# KiCad board PowerSupply.kicad_pcb (continued)
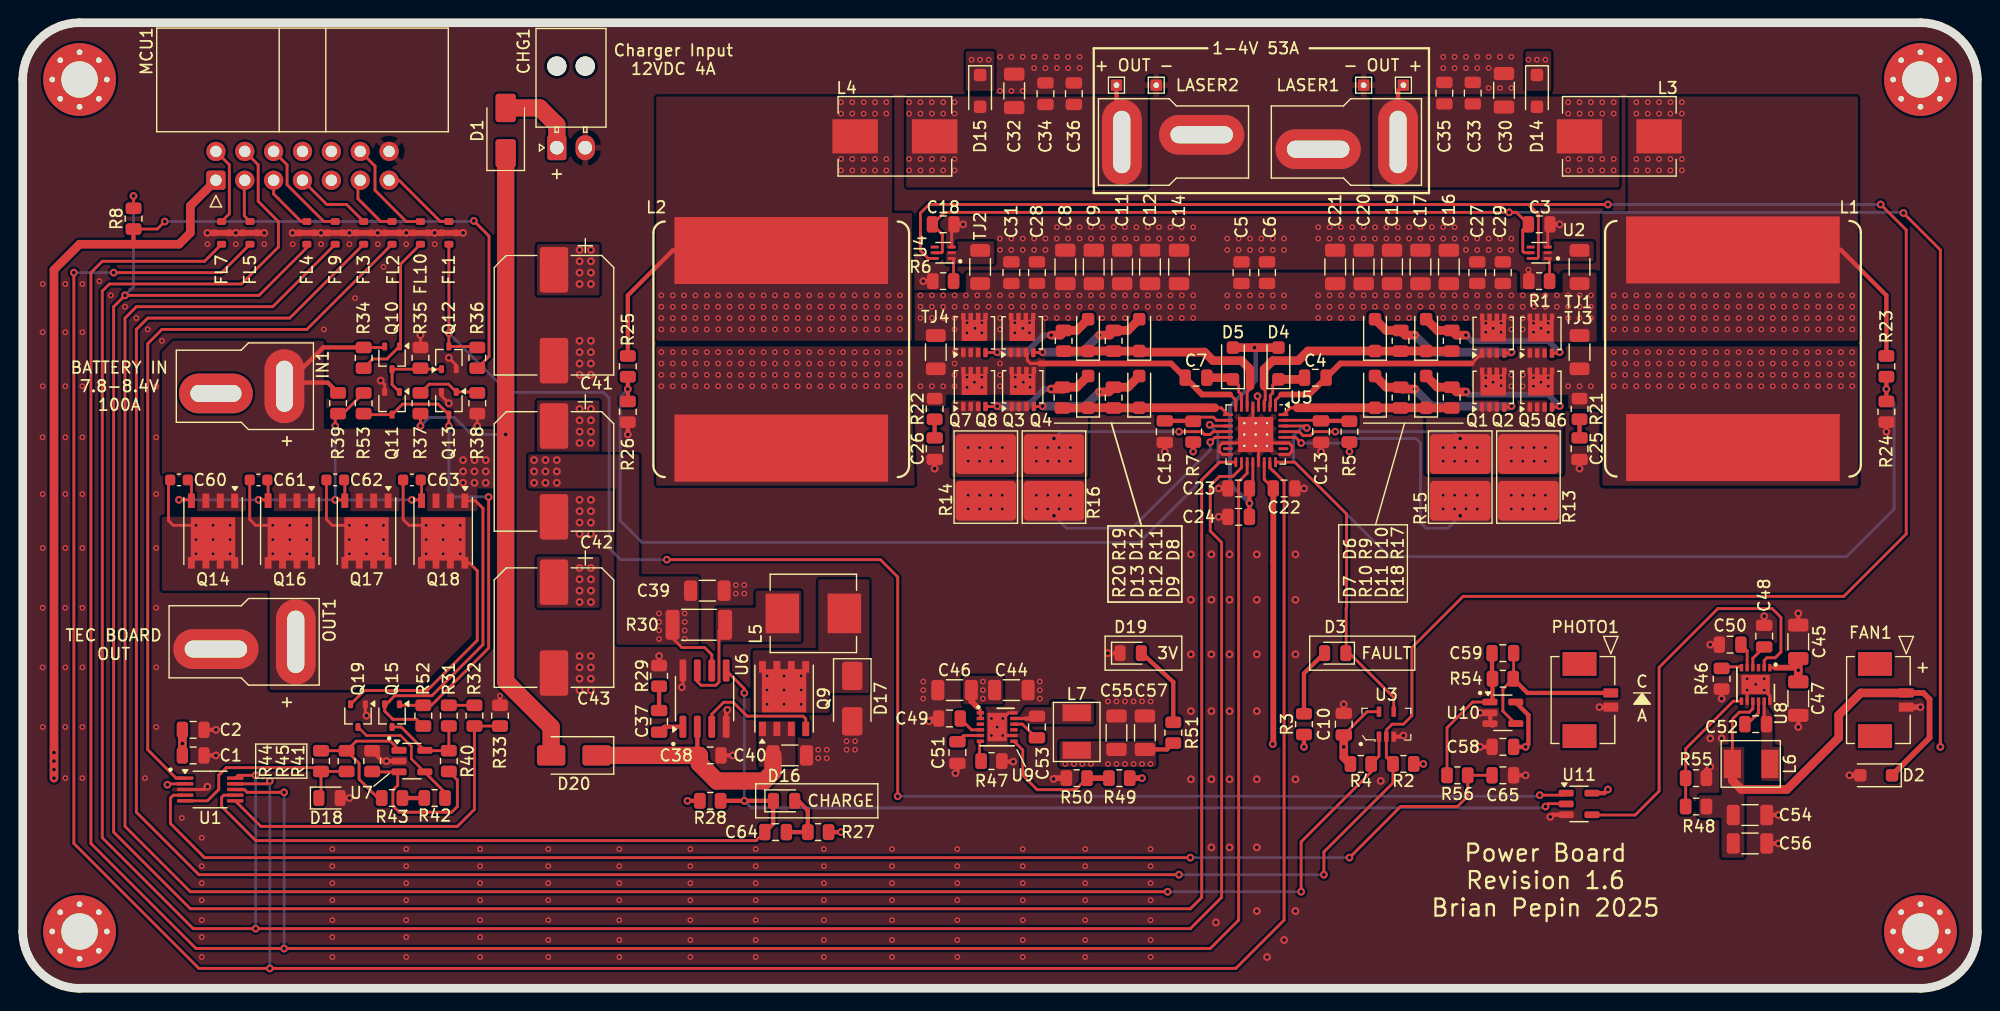
[diagram p0: board, top side]
## Footprints (pads in the part's own frame, mm; a bottom-side part is the same pattern mirrored in y, then rotated) (continued)
TestPoint_THTPad_1.0x1.0mm_Drill0.5mm
  rect 1x1 hole 0.5: 1(0,0)
VSSOP-10_3x3mm_P0.5mm
  rrect 1.45x0.3 smd: 1(-2.2,1) 2(-2.2,0.5) 3(-2.2,0) 4(-2.2,-0.5) 5(-2.2,-1) 6(2.2,-1) 7(2.2,-0.5) 8(2.2,0) 9(2.2,0.5) 10(2.2,1)

## Nets
+3V3: C1.1 C2.1 C3.1 C10.2 C18.1 C22.2 C55.2 C57.2 C58.2 L7.2 MCU1.1 R2.2 R3.2 R4.2 R8.2 R27.1 R28.1 R36.2 R49.2 R51.2 U1.2 U2.5 U3.5 U4.5 U5.22 U10.5 U11.5
+5V: C54.2 C56.2 D2.1 FAN1.1 L6.2 R48.2 U8.9
+12V: D1.1 D20.2 R37.2
/LaserDriver/VCCA: C23.2 C24.2 D4.2 D5.2 U5.20
GND: C1.2 C2.2 C3.2 C5.2 C6.2 C8.2 C9.2 C10.1 C11.2 C12.2 C13.2 C14.2 C15.2 C16.2 C17.2 C18.2 C19.2 C20.2 C21.2 C22.1 C23.1 C24.1 C25.2 C26.2 C27.2 C28.2 C29.2 C30.2 C31.2 C32.2 C33.2 C34.2 C35.2 C36.2 C38.2 C39.2 C40.1 C41.2 C42.2 C43.2 C44.1 C45.1 C46.1 C47.1 C48.2 C49.2 C50.1 C51.1 C54.1 C55.1 C56.1 C57.1 C58.1 C65.2 CHG1.2 D2.2 D17.2 D18.2 D19.1 FAN1.2 FL1.2 FL2.2 FL3.2 FL4.2 FL5.2 FL7.2 FL9.2 FL10.2 IN1.- LASER1.- LASER2.- MCU1.14 OUT1.- PHOTO1.2 Q11.2 Q12.2 Q13.2 Q19.1 R1.1 R6.1 R13.2 R14.2 R15.2 R16.2 R24.2 R26.2 R29.2 R33.2 R35.1 R38.1 R41.2 R46.2 R47.2 R50.1 R55.2 TP2.1 TP4.1 U1.3 U2.3 U3.3 U4.3 U5.5 U5.13 U5.14 U5.16 U5.21 U5.25 U5.27 U5.28 U5.33 U6.4 U6.8 U7.2 U8.8 U8.12 U8.13 U9.8 U9.12 U9.13 U10.2 U10.3 U11.3
+BATT: C39.1 IN1.+ Q10.2 Q14.1 Q14.2 Q14.3 Q15.2 Q16.1 Q16.2 Q16.3 Q17.1 Q17.2 Q17.3 Q18.1 Q18.2 Q18.3 R30.1 R34.2 R39.1 R52.1 U6.6
/LaserDriver/BST1: C4.1 D4.1 U5.2
/LaserDriver/BST2: C7.1 D5.1 U5.7
/LaserDriver/DH1: D6.1 D10.1 R9.2 R17.2 U5.3
/LaserDriver/DH2: D8.1 D12.1 R11.2 R19.2 U5.6
/LaserDriver/DL1: D7.1 D11.1 R10.2 R18.2 U5.32
/LaserDriver/DL2: D9.1 D13.1 R12.2 R20.2 U5.9
/LaserDriver/LX1: C4.2 L1.1 Q1.1 Q1.2 Q1.3 Q2.5 Q5.1 Q5.2 Q5.3 Q6.5 R21.1 TJ3.1 U5.1
/LaserDriver/LX2: C7.2 L2.1 Q3.1 Q3.2 Q3.3 Q4.5 Q7.1 Q7.2 Q7.3 Q8.5 R22.1 TJ4.1 U5.8
/LaserDriver/OUT1: R23.2 R24.1 U5.30
/LaserDriver/OUT2: R25.2 R26.1 U5.11
/LaserDriver/TON1: C13.1 R5.2 U5.31
/LaserDriver/TON2: C15.1 R7.2 U5.10
/LaserDriver/~{RESETB}: D3.1 U3.4 U5.24
/PowerControl/LOADGATE: C60.2 C61.2 C62.2 C63.2 Q14.4 Q16.4 Q17.4 Q18.4 R39.2 R53.1
/PowerControl/PGATE: Q11.3 Q13.3 Q15.1 R52.2 R53.2
BAT_CURRENT: D18.1 R44.2 R45.2 U1.5
BAT_VOLT: R32.2 R33.1 U1.6
BATT_SW: Q15.3 R31.1 R40.1 U7.5
LASER_MON: C65.1 R56.1 U1.4
MISO: FL5.3 U1.9 U5.23
MOSI: FL7.3 U1.8 U5.19
PHOTODIODE: C59.2 PHOTO1.1 R54.2 U10.4
SCK: MCU1.4 U1.10 U5.18
VDC: C5.1 C6.1 C8.1 C9.1 C11.1 C12.1 C14.1 C16.1 C17.1 C19.1 C20.1 C21.1 C27.1 C28.1 C29.1 C31.1 C41.1 C42.1 C43.1 C44.2 C45.2 C46.2 C47.2 C60.1 C61.1 C62.1 C63.1 D14.1 D15.1 OUT1.+ Q1.5 Q3.5 Q5.5 Q7.5 Q14.5 Q16.5 Q17.5 Q18.5 Q19.2 R5.1 R7.1 TJ1.2 TJ2.2 TJ3.2 TJ4.2 U5.4 U8.1 U9.1 U9.2
~{CHARGE}: C64.1 D16.1 R28.2 U1.7 U6.5 U11.2
~{CS_CHARGE}: FL2.3 U1.1
~{CS_LASER}: FL4.3 R8.1 U5.17
~{INTERLOCK_EN}: FL1.3 Q12.3 R36.1 U11.1
~{INTERLOCK_SW}: FL10.3 Q10.1 R34.1
~{RST_LASER}: FL9.3 R4.1 U3.1
~{TMP_LASER}: FL3.3 R2.1 U2.6 U3.2 U4.6
Net-(C25-Pad1): C25.1 R21.2
Net-(C26-Pad1): C26.1 R22.2
Net-(C37-Pad1): C37.1 R29.1
Net-(C59-Pad1): C59.1 R54.1 R56.2 U10.1
Net-(CHG1-Pin_1): CHG1.1 D1.2
Net-(D3-A): D3.2 R3.1
Net-(D6-A): D6.2 Q1.4 R9.1
Net-(D7-A): D7.2 Q2.4 R10.1
Net-(D8-A): D8.2 Q3.4 R11.1
Net-(D9-A): D9.2 Q4.4 R12.1
Net-(D10-A): D10.2 Q5.4 R17.1
Net-(D11-A): D11.2 Q6.4 R18.1
Net-(D12-A): D12.2 Q7.4 R19.1
Net-(D13-A): D13.2 Q8.4 R20.1
Net-(D14-A): C30.1 C33.1 C35.1 D14.2 L3.2 LASER1.+ TP1.1
Net-(D15-A): C32.1 C34.1 C36.1 D15.2 L4.2 LASER2.+ TP3.1
Net-(D16-A): C64.2 D16.2 R27.2
Net-(D17-K): D17.1 L5.1 Q9.5
Net-(D19-A): D19.2 R51.1
Net-(D20-K): C38.1 C40.2 D20.1 Q9.1 Q9.2 Q9.3 U6.2
Net-(L1-Pad2): L1.2 L3.1 R23.1
Net-(L2-Pad2): L2.2 L4.1 R25.1
Net-(MCU1-Pin_2): FL7.1 MCU1.2
Net-(MCU1-Pin_3): FL5.1 MCU1.3
Net-(MCU1-Pin_5): FL4.1 MCU1.5
Net-(MCU1-Pin_6): FL9.1 MCU1.6
Net-(MCU1-Pin_7): FL3.1 MCU1.7
Net-(MCU1-Pin_11): FL2.1 MCU1.11
Net-(MCU1-Pin_12): FL10.1 MCU1.12
Net-(MCU1-Pin_13): FL1.1 MCU1.13
Net-(Q9-G): Q9.4 U6.3
Net-(Q10-D): Q10.3 Q11.1 Q12.1 R35.2
Net-(Q13-G): Q13.1 R37.1 R38.2
Net-(Q19-D): Q19.3 R42.2 U7.4
Net-(R31-Pad2): R31.2 R32.1
Net-(R42-Pad1): R42.1 R43.1
Net-(R43-Pad2): R43.2 R44.1 R45.1 U7.1
Net-(U2-SETA): R1.2 TJ1.1 U2.1 U2.2
Net-(U4-SETA): R6.2 TJ2.1 U4.1 U4.2
Net-(U5-CSP1): Q2.1 Q2.2 Q2.3 Q6.1 Q6.2 Q6.3 R13.1 R15.1 U5.29
Net-(U5-CSP2): Q4.1 Q4.2 Q4.3 Q8.1 Q8.2 Q8.3 R14.1 R16.1 U5.12
Net-(U6-COMP): C37.2 U6.1
Net-(U6-SENSE): L5.2 R30.2 U6.7
Net-(U7-+): R40.2 R41.1 U7.3
Net-(U8-BST): C52.2 U8.10
Net-(U8-EN/UVLO): U8.2 U11.4
Net-(U8-FB): R48.1 R55.1 U8.7
Net-(U8-LX): C52.1 L6.1 U8.11
Net-(U8-RT/SYNC): R46.1 U8.6
Net-(U8-SS): C48.1 U8.4
Net-(U8-VCC): C50.2 U8.5
Net-(U9-BST): C53.2 U9.10
Net-(U9-FB): R49.1 R50.2 U9.7
Net-(U9-LX): C53.1 L7.1 U9.11
Net-(U9-RT/SYNC): R47.1 U9.6
Net-(U9-SS): C49.1 U9.4
Net-(U9-VCC): C51.2 U9.5

Pads without a net: FAN1 3 4; H1 1; H2 1; H3 1; H4 1; MCU1 8 9 10; PHOTO1 3 4; U2 4; U4 4; U5 15 26; U8 3; U9 3 9

## Via types
v1: diameter 0.686, hole 0.33, Top to Bottom, 248 vias
v2: diameter 0.508, hole 0.254, Top to Bottom, 1075 vias

## Routing (per net, layer and track width the routed paths; a pad name or vN(x,y) marks a point on that pad's centre or on a via; arc(x,y) is an arc through that point)
+3V3: length 303.2
  Top w0.254: U5.22 109.25,44.8 C22.2 ; U4.5 80.85,64.75 80.93,64.83 80.93,66.37 C18.1 81.11,68.31 v1(130.81,68.31) 131.44,68.31 C3.1 132,66.75 132,64.88 132.13,64.75 U2.5 ; C10.2 118.3,24.35 U3.5 ; v1(12.73,17.92) 12.81,18 U1.2 ; R8.2 11.84,66.84 v1(12.5,67.5) ; v1(39.69,67.56) 41.03,66.22 41.03,55.62 R36.2 ; v1(165.5,68.25) 168.75,65 v1(168.75,21.25)
  Top w0.381: C57.2 100.69,21.03 R51.2 ; C58.2 v1(132.25,21.25) 132.5,21.5 132.5,24.05 131.35,25.2 ; R27.1 v1(72,13.75) ; v1(139.5,17.5) 139.18,17.18 U11.5 ; R8.2 9.75,65.5 ; R2.2 v1(123.25,19.75) ; R28.1 v1(58.5,16.5) ; R3.2 v1(112.75,21.25)
  Top w0.508: C22.2 110.05,21.55 v1(110,21.5) ; v1(98.5,18.5) R49.2
  Top w0.762: C1.1 v1(14.05,21.55) C2.1 ; MCU1.1 14.75,68.88 14.75,66.5 13.75,65.5 5,65.5 2.75,63.25 v1(2.75,20.75) v1(2.75,20) v1(2.75,19.25) v1(2.75,18.5) ; C10.2 v1(116.25,21.25) 116.25,20.34 R4.2
  Bottom w0.254: v1(12.5,67.5) 39.64,67.5 v1(39.69,67.56) ; v1(165.5,68.25) 165.44,68.31 v1(130.81,68.31)
  vias: v2(91.75,19.75) v2(92.5,19.75) v2(93.25,19.75) v2(94,19.75) v2(95.5,19.75) v2(96.25,19.75) v2(97,19.75) v2(97.75,19.75) v2(98.5,19.75) v2(99.25,19.75)
+5V: length 38.9
  Top w0.254: L6.2 150.45,23.7 151.06,24.31 151.93,24.31 152.25,24.62 U8.9
  Top w0.508: D2.1 167.8,22.05 167.8,25.45 167.25,26 FAN1.1
  Top w0.762: L6.2 150.45,18.3 151.25,17.5 155.25,17.5 159.8,22.05 159.8,24.05 161.75,26 FAN1.1
+12V: length 88.9
  Top w0.254: R37.2 v1(35,49.5)
  Top w0.762: D1.1 v1(42.5,48.75)
  Top w1.524: D20.2 46.5,23 42.5,27 D1.1
  Bottom w0.254: v1(35,49.5) 35.75,50.25 38,50.25 39.5,48.75 v1(42.5,48.75)
/LaserDriver/VCCA: length 24.3
  Top w0.254: U5.20 108.25,44.3 C23.2
  Top w0.381: C23.2 v1(107.95,42.7) C24.2
  Top w0.762: D5.2 v1(108.4,56.4) D4.2
  Bottom w0.381: v1(108.4,56.4) 108.5,56.3 108.5,53.5 106.25,51.25 106.25,44.4 v1(107.95,42.7)
GND: length 138
  Top w0.229: 86.32,22.33 v2(86.25,22.25)
  Top w0.254: C18.2 81.75,67.05 U4.3 ; U5.5 108.25,50 U5.33 ; U2.3 134.2,67.05 C3.2 ; U5.33 109.75,48 U5.27 111.43,48 111.71,47.73 111.71,47.27 111.43,47 U5.25 ; U5.33 107.25,48 U5.14 105.57,48 105.29,47.73 105.29,47.27 105.57,47 U5.16 ; v1(112.5,48) 112,48.5 U5.28 ; U5.21 108.75,47.5 U5.33 ; v1(31.5,53.5) 31.85,53.15 Q11.2 ; U8.12 153.75,25.75 v2(153.25,26.25) ; Q13.2 36.85,52.15 v1(37.5,51.5) ; R35.1 v1(35,57.5) ; v2(86.25,23.75) 86.75,24.25 U9.12 ; Q12.2 38.15,54.85 v1(37.5,55.5) ; R38.1 v1(40,49.5) ; U8.8 v2(151.75,26.25) ; U1.3 16,17.5 v1(16.25,17.75) ; v1(30.25,24) 30.15,24.1 Q19.1 ; v1(58,26.5) 58.09,26.59 U6.8 ; 87.3,22.25 v2(86.25,22.25) ; U5.13 104.92,48.5 v1(104.5,48.08)
  Top w0.381: C15.2 v1(100.5,47.25) ; C25.2 v1(137,45.75) ; C13.2 v1(114.25,47.25) ; R24.2 v1(164,49) ; C3.2 v1(135.25,67.25) ; C22.1 v1(112.75,44) ; C23.1 v1(105.25,44) ; C18.2 v1(82.75,67.25) ; R6.1 v1(79.25,62.25) ; C26.2 v1(80.25,45.75) ; C24.1 v1(105.25,41.5) ; 33.15,20 v1(32,20) 31.66,20 R41.2 ; v1(87.16,19.95) 86.21,19.95 R47.2 ; v1(134.42,15.09) 134.61,15.28 U11.3 ; U3.3 121.4,22.15 v1(121.5,22.25) ; C2.2 v1(17,22.75) ; C45.1 v1(156.25,33) ; D18.2 v1(28.75,16.75) ; R26.2 v1(53.25,48.75) ; R46.2 v1(149.5,25.5) ; C47.1 v1(156.25,23) ; C54.1 v1(154.5,15.25) ; C10.1 v1(116.25,25) ; 129.34,23.11 129.15,23.3 129.15,24.25 v1(128.25,24.25) ; v1(62,24.5) 61.91,24.41 U6.4 ; C1.2 v1(17,20.5) ; C50.1 v1(148.5,30.25) ; PHOTO1.2 v1(138.75,24.75) ; R1.1 132.54,63.21 v2(132.5,63.25) ; C56.1 v1(154.5,12.75) ; C38.2 v1(62.5,20.5) ; R33.2 v2(42,25.75) ; v1(82.08,18.94) 82.25,19.11 C51.1 ; C49.2 79.99,23.75 v1(79.75,23.51) ; C48.2 v1(153.25,32.75) ; 96.54,29.5 v1(95.5,29.5) ; C58.1 v1(128.25,21.25) ; C65.2 v1(132.25,18.75) ; R29.2 v1(56,29.25)
  Top w0.508: v1(16.25,66.5) FL7.2 FL7.2 v1(18.75,66.5) FL5.2 FL5.2 v1(21.25,66.5) ; v1(23.75,66.5) FL4.2 FL4.2 v1(26.25,66.5) FL9.2 FL9.2 v1(28.75,66.5) FL3.2 FL3.2 v1(31.25,66.5) FL2.2 FL2.2 v1(33.75,66.5) FL10.2 FL10.2 v1(36.25,66.5) FL1.2 FL1.2 v1(38.75,66.5) ; R50.1 90.79,18.5 v1(90.72,18.43) ; v1(148.5,19.5) 148.16,19.16 R55.2 ; FAN1.2 v1(167,24.75) ; D2.2 v1(160.75,18.75)
  Bottom w0.254: v1(112.5,48) 116,48 116.4,48.4 122.6,48.4 123,48 123,41 123.5,40.5 125.4,40.5 v1(126.5,41.6) ; 104.51,47.39 104.5,47.4 v1(104.5,48.08) 104.5,47.38 97.62,40.5 91.85,40.5 v1(90.75,41.6)
  vias: v1(49,57) v1(49,56) v1(49,55) v1(49,54) v1(49,43) v1(49,42) v1(49,41) v1(49,40) v1(49,29.25) v1(49,28.25) v1(49,27.25) v1(49,26.25) v1(50,57) v1(50,56) v1(50,55) v1(50,54) v1(50,43) v1(50,42) v1(50,41) v1(50,40) v1(50,29.25) v1(50,28.25) v1(50,27.25) v1(50,26.25) v1(102.8,38.2) v1(102.8,34.2) v1(102.8,29.4) v1(102.8,24.4) v1(102.8,18.4) v1(104.6,38.2) v1(104.6,34.2) v1(104.6,29.4) v1(104.6,24.4) v1(104.6,18.4) v1(104.6,12.4) v1(105,5.8) v1(106.2,38.2) v1(106.2,34.2) v1(106.2,29.4) v1(106.2,24.4) v1(106.2,18.4) v1(106.2,12.4) v1(108.6,38.2) v1(108.6,34.2) v1(108.6,29.4) v1(108.6,24.4) v1(108.6,18.4) v1(108.6,12.4) v1(108.6,6.8) v1(109.5,2.75) v1(111,4.25) v1(112,38.2) v1(112,34.2) v1(112,29.4) v1(112,18.4) v1(112,6.8) v1(119.5,18.25) v1(148.5,22) v1(149.5,22) v2(1.75,62) v2(1.75,57.75) v2(1.75,53) v2(1.75,48.5) v2(1.75,43.5) v2(1.75,38.75) v2(1.75,33.5) v2(1.75,28.25) v2(1.75,23) v2(3.75,62) v2(3.75,57.75) v2(3.75,53) v2(3.75,48.5) v2(3.75,43.5) v2(3.75,38.75) v2(3.75,33.5) v2(3.75,28.25) v2(3.75,23) v2(3.75,18.5) v2(5.25,62) v2(5.25,57.75) v2(5.25,53) v2(5.25,48.5) v2(5.25,43.5) v2(5.25,38.75) v2(5.25,33.5) v2(5.25,28.25) v2(5.25,23) v2(5.25,18.5) v2(6.75,62.25) v2(7.75,61) v2(9,60) v2(10,59) v2(10.75,18.5) v2(11,58) v2(11.75,53) v2(11.75,48.5) v2(11.75,43.5) v2(11.75,38.75) v2(11.75,33.5) v2(11.75,28.25) v2(11.75,23) v2(12.25,57) v2(14,15) v2(15.75,13.25) v2(15.75,10.75) v2(15.75,9.25) v2(15.75,7.75) v2(15.75,6) v2(15.75,4.5) v2(15.75,2.75) v2(16.25,65.5) v2(18.75,65.5) v2(21.25,65.5) v2(23.75,65.5) v2(26.25,65.5) v2(26.5,58) v2(27.25,12.25) v2(27.25,10.75) v2(27.25,9.25) v2(27.25,7.75) v2(27.25,6) v2(27.25,4.5) v2(27.25,2.75) v2(28.75,65.5) v2(29.25,60.75) v2(31.25,65.5) v2(31.75,63.5) v2(33.75,65.5) v2(33.75,12.25) v2(33.75,10.75) v2(33.75,9.25) v2(33.75,7.75) v2(33.75,6) v2(33.75,4.5) v2(33.75,2.75) v2(36.25,65.5) v2(40.25,12.25) v2(40.25,10.75) v2(40.25,9.25) v2(40.25,7.75) v2(40.25,6) v2(40.25,4.5) v2(40.25,2.75) v2(46.25,12.25) v2(46.25,10.75) v2(46.25,9.25) v2(46.25,7.75) v2(46.25,6) v2(46.25,4.25) v2(46.25,2.75) v2(52.5,12.25) v2(52.5,10.75) v2(52.5,9.25) v2(52.5,7.75) v2(52.5,6) v2(52.5,4.25) v2(52.5,2.75) v2(58.75,12.25) v2(58.75,10.75) v2(58.75,9.25) v2(58.75,7.75) v2(58.75,6) v2(58.75,4.25) v2(58.75,2.75) v2(62.75,35.5) v2(62.75,34.75) v2(63.5,35.5) v2(63.5,34.75) v2(64.5,12.25) v2(64.5,10.75) v2(64.5,9.25) v2(64.5,7.75) v2(64.5,6) v2(64.5,4.25) v2(64.5,2.75) v2(70,21) v2(70,20.25) v2(70.5,12.25) v2(70.5,10.75) v2(70.5,9.25) v2(70.5,7.75) v2(70.5,6) v2(70.5,4.25) v2(70.5,2.75) v2(70.75,21) v2(70.75,20.25) v2(72.5,21.75) v2(72.5,21) v2(73.25,21.75) v2(73.25,21) v2(76.5,12.25) v2(76.5,10.75) v2(76.5,9.25) v2(76.5,7.75) v2(76.5,6) v2(76.5,4.25) v2(76.5,2.75) v2(79.25,27) v2(79.25,26.25) v2(79.25,25.5) v2(82.25,12.25) v2(82.25,10.75) v2(82.25,9.25) v2(82.25,7.75) v2(82.25,6) v2(82.25,4.25) v2(82.25,2.75) v2(83.2,43.4) v2(83.2,42.2) v2(84.2,43.4) v2(84.2,42.2) v2(85.2,43.4) v2(85.2,42.2) v2(85.25,23.75) v2(85.25,22.25) v2(85.75,23) v2(86,82) v2(86,79) v2(86,66) v2(86,65) v2(86.2,43.4) v2(86.2,42.2) v2(87,82) v2(87,79) v2(87,66) v2(87,65) v2(88,82) v2(88,79) v2(88,66) v2(88,65) v2(88,12.25) v2(88,10.75) v2(88,9.25) v2(88,7.75) v2(88,6) v2(88,4.25) v2(88,2.75) v2(89,82) v2(89,81) v2(89,66) v2(89,65) v2(89.2,43.4) v2(89.2,42.2) v2(89.5,27) v2(89.5,26.25) v2(89.5,25.5) v2(90,82) v2(90,81) v2(90,66) v2(90,65) v2(90.2,43.4) v2(90.2,42.2) v2(91,82) v2(91,81) v2(91,67) v2(91,66) v2(91.2,43.4) v2(91.2,42.2) v2(92,82) v2(92,81) v2(92,67) v2(92,66) v2(92.2,43.4) v2(92.2,42.2) v2(93,82) v2(93,81) v2(93,67) v2(93,66) v2(93.5,12.25) v2(93.5,10.75) v2(93.5,9.25) v2(93.5,7.75) v2(93.5,6) v2(93.5,4.25) v2(93.5,2.75) v2(94,67) v2(94,66) v2(95,67) v2(95,66) v2(95.5,25.25) v2(96,67) v2(96,66) v2(96.25,25.25) v2(97,67) v2(97,66) v2(97,25.25) v2(97.75,25.25) v2(98,67) v2(98,66) v2(98.5,25.25) v2(99,67) v2(99,66) v2(99.25,25.25) v2(99.25,12.25) v2(99.25,10.75) v2(99.25,9.25) v2(99.25,7.75) v2(99.25,6) v2(99.25,4.25) v2(99.25,2.75) v2(100,67) v2(100,66) v2(101,67) v2(101,66) v2(102,67) v2(102,66) v2(103,67) v2(103,66) v2(106,66) v2(106,65) v2(107,66) v2(107,65) v2(108,66) v2(108,65) v2(109,66) v2(109,65) v2(110,66) v2(110,65) v2(111,66) v2(111,65) v2(114,67) v2(114,66) v2(115,67) v2(115,66) v2(116,67) v2(116,66) v2(117,67) v2(117,66) v2(118,67) v2(118,66) v2(119,67) v2(119,66) v2(120,67) v2(120,66) v2(121,67) v2(121,66) v2(122,67) v2(122,66) v2(123,67) v2(123,66) v2(124,67) v2(124,66) v2(125,82) v2(125,81) v2(125,67) v2(125,66) v2(125,43.4) v2(125,42.2) v2(126,82) v2(126,81) v2(126,67) v2(126,66) v2(126,43.4) v2(126,42.2) v2(127,82) v2(127,81) v2(127,66) v2(127,65) v2(127,43.4) v2(127,42.2) v2(128,82) v2(128,81) v2(128,66) v2(128,65) v2(128,43.4) v2(128,42.2) v2(129,82) v2(129,81) v2(129,79.25) v2(129,66) v2(129,65) v2(130,82) v2(130,79.25) v2(130,66) v2(130,65) v2(131,82) v2(131,79.25) v2(131,66) v2(131,65) v2(131,43.4) v2(131,42.2) v2(132,43.4) v2(132,42.2) v2(133,43.4) v2(133,42.2) v2(134,43.4) v2(134,42.2) v2(151.75,27.25) v2(152.5,26.75) v2(153.25,27.25)
+BATT: length 52.3
  Top w0.254: R34.2 31.76,56.41 Q10.2 ; 57.25,32 R30.1 57.19,30.81 58,30 60,30 60.64,29.36 U6.6 ; R52.1 34.66,23.68 32.57,23.68 31.85,24.4 Q15.2 32,25 32.25,25.25 32.25,25.27 32.74,25.76 36.01,25.76 40.5,30.25 40.5,42.25 39.83,42.92 Q18.1
  Top w0.381: R34.2 26.44,56.41 IN1.+ ; R39.1 26.84,53.32 23.35,53.32 IN1.+ ; IN1.+ 23.62,52.41
  vias: v1(38.75,46.5) v1(38.75,45.5) v1(38.75,44.5) v1(39.75,46.5) v1(39.75,45.5) v1(39.75,44.5) v1(40.75,46.5) v1(40.75,45.5) v1(40.75,44.5) v1(45,46.5) v1(45,45.5) v1(45,44.5) v1(46,46.5) v1(46,45.5) v1(46,44.5) v1(47,46.5) v1(47,45.5) v1(47,44.5) v2(56,33) v2(56,32.25) v2(56,31.5) v2(56,30.75) v2(58.25,33) v2(58.25,32.25) v2(58.25,31.5) v2(58.25,30.75)
/LaserDriver/BST1: length 5.1
  Top w0.254: D4.1 110,53.1 110,52.4 109.79,52.19 109.79,51.23 U5.2
  Top w0.381: 112.65,53.6 C4.1
  Top w0.762: D4.1 112.65,53.6
/LaserDriver/BST2: length 5.1
  Top w0.254: D5.1 107,53.1 107,52.5 107.25,52.25 U5.7
  Top w0.381: 106.35,53.75 D5.1
  Top w0.762: C7.1 106.35,53.75
/LaserDriver/DH1: length 20.6
  Top w0.254: U5.3 109.25,51.71 109.34,51.79 109.34,52.91 109.25,53
  Top w0.762: R17.2 123.51,56.09 D10.1 121.26,56.1 R9.2 119.01,56.09 D6.1 113.1,56.1 112.25,55.25 110,55.25 109.25,54.5 109.25,53
/LaserDriver/DH2: length 20.5
  Top w0.254: 108,53 108,52.75 107.75,52.5 U5.6
  Top w0.762: 108,53 108,54.5 107.25,55.25 104.75,55.25 104,56 98.35,56 D8.1 98.24,56.09 R11.2 95.99,56.1 D12.1 93.74,56.09 R19.2
/LaserDriver/DL1: length 15.3
  Top w0.254: U5.32 111.54,51.1 112.34,51.1
  Top w0.762: R18.2 123.51,51.09 D11.1 121.26,51.1 R10.2 119.01,51.09 D7.1 112.15,51.1
/LaserDriver/DL2: length 14.8
  Top w0.254: 104.66,51.1 105.46,51.1 U5.9
  Top w0.762: D13.1 93.74,51.09 R20.2 ; 94,51.1 95.99,51.1 R12.2 98.24,51.09 D9.1 104.9,51.1
/LaserDriver/LX1: length 20.5
  Top w0.254: 127.51,55 Q1.1 ; 110.75,52.27 110.25,51.77 U5.1
  Top w0.508: 110.75,52.27 113.22,52.27 C4.2 115.95,55 127.51,55
  vias: v2(128.75,53.75) v2(128.75,53) v2(129.4,53.35) v2(130.1,53.75) v2(130.1,53.05) v2(131,54) v2(131,53) v2(132,54) v2(132,53) v2(132.95,53.75) v2(132.95,53) v2(133.6,53.35) v2(134.25,53.75) v2(134.25,53) v2(136,53) v2(137,53) v2(138,53) v2(140,56) v2(140,55) v2(140,54) v2(140,53) v2(141,56) v2(141,55) v2(141,54) v2(141,53) v2(142,56) v2(142,55) v2(142,54) v2(142,53) v2(143,56) v2(143,55) v2(143,54) v2(143,53) v2(144,56) v2(144,55) v2(144,54) v2(144,53) v2(145,56) v2(145,55) v2(145,54) v2(145,53) v2(146,56) v2(146,55) v2(146,54) v2(146,53) v2(147,56) v2(147,55) v2(147,54) v2(147,53) v2(148,56) v2(148,55) v2(148,54) v2(148,53) v2(149,56) v2(149,55) v2(149,54) v2(149,53) v2(150,56) v2(150,55) v2(150,54) v2(150,53) v2(151,56) v2(151,55) v2(151,54) v2(151,53) v2(152,56) v2(152,55) v2(152,54) v2(152,53) v2(153,56) v2(153,55) v2(153,54) v2(153,53) v2(154,56) v2(154,55) v2(154,54) v2(154,53) v2(155,56) v2(155,55) v2(155,54) v2(155,53) v2(156,56) v2(156,55) v2(156,54) v2(156,53) v2(157,56) v2(157,55) v2(157,54) v2(157,53) v2(158,56) v2(158,55) v2(158,54) v2(158,53) v2(159,56) v2(159,55) v2(159,54) v2(159,53) v2(160,56) v2(160,55) v2(160,54) v2(160,53) v2(161,56) v2(161,55) v2(161,54) v2(161,53)
/LaserDriver/LX2: length 21.1
  Top w0.254: 106.25,52.27 106.75,51.77 U5.8 ; 88.28,55.97 88.39,55.85 88.39,55.29 88.68,55 89.5,55
  Top w0.508: 89.5,55 101.05,55 C7.2 103.78,52.27 106.25,52.27
  vias: v2(56.2,56) v2(56.2,55) v2(56.2,54) v2(56.2,53) v2(57.2,56) v2(57.2,55) v2(57.2,54) v2(57.2,53) v2(58.2,56) v2(58.2,55) v2(58.2,54) v2(58.2,53) v2(59.2,56) v2(59.2,55) v2(59.2,54) v2(59.2,53) v2(60.2,56) v2(60.2,55) v2(60.2,54) v2(60.2,53) v2(61.2,56) v2(61.2,55) v2(61.2,54) v2(61.2,53) v2(62.2,56) v2(62.2,55) v2(62.2,54) v2(62.2,53) v2(63.2,56) v2(63.2,55) v2(63.2,54) v2(63.2,53) v2(64.2,56) v2(64.2,55) v2(64.2,54) v2(64.2,53) v2(65.2,56) v2(65.2,55) v2(65.2,54) v2(65.2,53) v2(66.2,56) v2(66.2,55) v2(66.2,54) v2(66.2,53) v2(67.2,56) v2(67.2,55) v2(67.2,54) v2(67.2,53) v2(68.2,56) v2(68.2,55) v2(68.2,54) v2(68.2,53) v2(69.2,56) v2(69.2,55) v2(69.2,54) v2(69.2,53) v2(70.2,56) v2(70.2,55) v2(70.2,54) v2(70.2,53) v2(71.2,56) v2(71.2,55) v2(71.2,54) v2(71.2,53) v2(72.2,56) v2(72.2,55) v2(72.2,54) v2(72.2,53) v2(73.2,56) v2(73.2,55) v2(73.2,54) v2(73.2,53) v2(74.2,56) v2(74.2,55) v2(74.2,54) v2(74.2,53) v2(75.2,56) v2(75.2,55) v2(75.2,54) v2(75.2,53) v2(76.2,56) v2(76.2,55) v2(76.2,54) v2(76.2,53) v2(77.2,56) v2(77.2,55) v2(77.2,54) v2(77.2,53) v2(79,53) v2(80,53) v2(81,53) v2(82,56) v2(82,55) v2(82,54) v2(82,53) v2(83.1,53.8) v2(83.1,52.9) v2(83.75,53.35) v2(84.4,53.8) v2(84.4,52.9) v2(86,55) v2(86,54) v2(86,53) v2(87.35,53.8) v2(87.35,52.95) v2(88.05,53.35) v2(88.65,53.8) v2(88.65,52.9)
/LaserDriver/OUT1: length 76.9
  Top w0.254: U5.30 112.83,49.5 v1(113,49.33)
  Top w0.381: R23.2 v1(164,52.75) R24.1
  Bottom w0.254: v1(164,52.75) 164,52.25 164.67,51.58 164.67,42.17 160.5,38 120.25,38 111.83,46.42 111.83,48.64 112.52,49.33 v1(113,49.33)
/LaserDriver/OUT2: length 75.7
  Top w0.254: U5.11 104.55,49.5 v1(104.45,49.6)
  Top w0.381: R26.1 v1(53.25,52.75) R25.2
  Bottom w0.254: v1(53.25,52.75) 52.58,52.08 52.58,41.17 54.49,39.26 98.26,39.26 105.17,46.17 105.17,48.88 v1(104.45,49.6)
/LaserDriver/TON1: length 5.8
  Top w0.254: U5.31 114.2,50 C13.1
  Top w0.381: R5.2 116.71,49.95 C13.1
/LaserDriver/TON2: length 5.8
  Top w0.254: U5.10 105.05,50 104.77,50.28 103.36,50.28 R7.2
  Top w0.381: C15.1 102.96,49.95 R7.2
/LaserDriver/~{RESETB}: length 27.5
  Top w0.254: U3.4 120.65,25.6 116.75,29.5 116.46,29.5 116.46,33.46 116.5,33.5 116.5,41.75 111.94,46.31 U5.24
/PowerControl/LOADGATE: length 42.5
  Top w0.254: v1(27.5,49.5) 27.5,50.34 R39.2 28.17,50.59 R53.1 ; C62.2 28.34,44.68 Q17.4 28.27,43 v1(27.5,43) ; C60.2 14.84,44.43 Q14.4 14.77,43 v1(13.75,43) ; v1(34.25,43) 35.02,43 Q18.4 35.09,44.68 C63.2 ; C61.2 21.59,44.68 Q16.4 21.52,43 v1(20.75,43)
  Bottom w0.254: v1(34.25,43) v1(27.5,43) ; v1(27.5,43) v1(20.75,43) v1(13.75,43) ; v1(27.5,43) v1(27.5,49.5)
/PowerControl/PGATE: length 42
  Top w0.254: v1(37.5,49.5) Q13.3 36.57,51.43 33.43,51.43 Q11.3 30.09,50.5 R53.2 ; v1(41,43.25) 41,29.95 35.97,24.91 R52.2 33.24,24.91 Q15.1
  Bottom w0.254: v1(37.5,49.5) 37.5,43.75 38,43.25 v1(41,43.25)
BAT_CURRENT: length 18.7
  Top w0.254: R44.2 26.25,16.94 D18.1 ; R44.2 R45.2 ; R44.2 25.91,19.42 17.92,19.42 17.25,18.75 17.25,17.5 16.25,16.5 U1.5
BAT_VOLT: length 32.2
  Top w0.254: R33.1 R32.2 39.75,15.75 38.25,14.25 20.95,14.25 U1.6
BATT_SW: length 8
  Top w0.254: Q15.3 33.3,23 35.35,20.95 ; R31.1 R40.1 35.39,20.91
  Top w0.381: 35.39,20.91 35.35,20.95
LASER_MON: length 125.3
  Top w0.254: U1.4 13.25,17 13,16.75 13,14.5 16,11.5 v1(102.75,11.5) ; C65.1 R56.1 127.16,16.91 126.25,16 121.25,16 v1(116.75,11.5)
  Bottom w0.254: v1(116.75,11.5) v1(102.75,11.5)
MISO: length 240.1
  Top w0.254: FL5.3 17.5,63 v1(8,63) ; v1(21.75,18.25) 21.5,18 U1.9 ; U5.23 109.75,45.82 110.02,45.54 110.05,45.54 111,44.6 111,6 106.75,1.75 v1(21.75,1.75) 15.5,1.75 4.5,12.75 v1(4.5,63)
  Bottom w0.254: v1(21.75,18.25) v1(21.75,1.75) ; v1(8,63) v1(4.5,63)
MOSI: length 227.4
  Top w0.254: v1(23,17.25) 19.75,17.25 19.52,17.48 18.72,17.48 U1.8 ; FL7.3 16,64 7,64 6,63 6,12.75 15.25,3.5 v1(23,3.5) 104.5,3.5 107,6 107,44.6 107.75,45.35 U5.19
  Bottom w0.254: v1(23,17.25) v1(23,3.5)
PHOTODIODE: length 16.2
  Top w0.254: 131.35,23.3 130.25,24.4 130.25,26.34 R54.2 131.2,27.29 C59.2
  Top w0.381: PHOTO1.1 132.41,26 R54.2
SCK: length 233.8
  Top w0.254: U5.18 107.25,45.82 106.49,45.06 105.31,45.06 104.5,44.25 104.5,40.25 105.5,39.25 105.5,8 102.75,5.25 15,5.25 7,13.25 7,61.38 7.62,62 19.25,62 22.5,65.25 22.5,67.5 20.72,69.28 20.72,72.49 MCU1.4 ; U1.10 18.95,18.75 v1(20.5,18.75)
  Bottom w0.254: v1(20.5,18.75) v1(20.5,5.25)
VDC: length 54.5
  Top w0.254: v2(35.5,40.75) 34,40.75 33.47,41.28 C63.1 ; U8.1 154.22,28.22 ; 84,24.75 84.28,24.47 U9.2 ; v2(22,40.75) 20.5,40.75 19.97,41.28 C61.1 ; U5.4 108.75,52.04 v1(108.66,52.12) ; C62.1 26.72,41.28 27.25,40.75 v2(28.75,40.75) ; Q19.2 30.06,26.21 35.59,26.21 40,30.62 40,36.75 39.3,37.45 Q18.5 ; C60.1 12.83,44.6 12.83,41.17 13.25,40.75 v2(15.25,40.75)
  Top w0.381: R7.1 v1(103,47.25) ; R5.1 v1(116.75,47.25)
  Top w0.508: 84,24.75 83.47,25.28 C46.2 ; v1(156.25,28) 156.02,28.22 154.22,28.22
  Top w0.762: C45.2 v1(156.25,28) C47.2
  vias: v1(49,65) v1(49,64) v1(49,63) v1(49,62) v1(49,51) v1(49,50) v1(49,49) v1(49,48) v1(49,37) v1(49,36) v1(49,35) v1(49,34) v1(50,65) v1(50,64) v1(50,63) v1(50,62) v1(50,51) v1(50,50) v1(50,49) v1(50,48) v1(50,37) v1(50,36) v1(50,35) v1(50,34) v2(15.25,39.5) v2(15.25,38.25) v2(16.75,40.75) v2(16.75,39.5) v2(16.75,38.25) v2(18.25,40.75) v2(18.25,39.5) v2(18.25,38.25) v2(22,39.5) v2(22,38.25) v2(23.5,40.75) v2(23.5,39.5) v2(23.5,38.25) v2(25,40.75) v2(25,39.5) v2(25,38.25) v2(28.75,39.5) v2(28.75,38.25) v2(30.25,40.75) v2(30.25,39.5) v2(30.25,38.25) v2(31.75,40.75) v2(31.75,39.5) v2(31.75,38.25) v2(35.5,39.5) v2(35.5,38.25) v2(37,40.75) v2(37,39.5) v2(37,38.25) v2(38.5,40.75) v2(38.5,39.5) v2(38.5,38.25) v2(79,61) v2(79,60) v2(79,59) v2(80,61) v2(80,60) v2(80,59) v2(81,61) v2(81,60) v2(81,59) v2(82,61) v2(82,60) v2(82,59) v2(82,58) v2(83,61) v2(83,60) v2(83.1,58.6) v2(83.1,57.7) v2(83.5,81.75) v2(83.8,58.1) v2(84,61) v2(84,60) v2(84.25,81.75) v2(84.4,58.6) v2(84.4,57.7) v2(84.5,27) v2(84.5,26.25) v2(84.5,25.5) v2(85,81.75) v2(85,61) v2(85,60) v2(86,61) v2(86,60) v2(86,59) v2(86,58) v2(87,61) v2(87,60) v2(87.3,58.6) v2(87.3,57.7) v2(88,61) v2(88,60) v2(88,58.1) v2(88.6,58.6) v2(88.6,57.7) v2(89,61) v2(89,60) v2(90,61) v2(90,60) v2(90,59) v2(91,61) v2(91,60) v2(91,59) v2(92,61) v2(92,60) v2(92,59) v2(93,61) v2(93,60) v2(94,61) v2(94,60) v2(95,61) v2(95,60) v2(95,59) v2(96,61) v2(96,60) v2(96,59) v2(97,61) v2(97,60) v2(97,59) v2(98,61) v2(98,60) v2(99,61) v2(99,60) v2(100,61) v2(100,60) v2(100,59) v2(101,61) v2(101,60) v2(101,59) v2(102,61) v2(102,60) v2(102,59) v2(103,61) v2(103,60) v2(103,59) v2(106,61) v2(106,60) v2(107,61) v2(107,60) v2(108,61) v2(108,60) v2(109,61) v2(109,60) v2(110,61) v2(110,60) v2(111,61) v2(111,60) v2(114,61) v2(114,60) v2(114,59) v2(115,61) v2(115,60) v2(115,59) v2(116,61) v2(116,60) v2(116,59) v2(117,61) v2(117,60) v2(117,59) v2(118,61) v2(118,60) v2(119,61) v2(119,60) v2(120,61) v2(120,60) v2(121,61) v2(121,60) v2(121,59) v2(122,61) v2(122,60) v2(122,59) v2(123,61) v2(123,60) v2(124,61) v2(124,60) v2(125,61) v2(125,60) v2(125,59) v2(126,61) v2(126,60) v2(126,59) v2(127,61) v2(127,60) v2(127,59) v2(128,61) v2(128,60) v2(128.75,58.55) v2(128.75,57.75) v2(129,61) v2(129,60) v2(129.4,58.1) v2(130,61) v2(130,60) v2(130.1,58.55) v2(130.1,57.75) v2(131,61) v2(131,60) v2(131,59) v2(131,58) v2(132,61) v2(132,60) v2(132,59) v2(132,58) v2(132.5,81.75) v2(132.95,58.55) v2(132.95,57.75) v2(133,61) v2(133,60) v2(133.25,81.75) v2(133.6,58.1) v2(134,81.75) v2(134,61) v2(134,60) v2(134.25,58.55) v2(134.25,57.75) v2(135,61) v2(135,60) v2(136,61) v2(136,60) v2(136,59) v2(137,61) v2(137,60) v2(137,59) v2(138,61) v2(138,60) v2(138,59)
~{CHARGE}: length 144
  Top w0.254: v1(134,16) 134.25,16.25 135.8,16.25 U11.2 ; v1(63.5,26) 63.5,26.38 U6.5 ; C64.1 64.55,13 20.5,13 17.5,16 17.5,16.8 17.7,17 U1.7
  Top w0.381: C64.1 66.04,14.49 66.04,16.5 v1(63.5,16.5) R28.2
  Bottom w0.254: v1(63.5,26) v1(63.5,16.5) 64.11,15.89 133.89,15.89 v1(134,16)
~{CS_CHARGE}: length 65.2
  Top w0.254: FL2.3 25,58 12.25,58 11,56.75 11,21 13.5,18.5 U1.1
~{CS_LASER}: length 215.2
  Top w0.254: U5.17 105.31,46.31 103.75,44.75 103.75,8 102.75,7 14.75,7 8,13.75 8,60 v1(9,61) 20.8,61 25,65.2 FL4.3 ; R8.1 v1(9.75,69.75)
  Bottom w0.254: v1(9.75,69.75) 9.75,61.75 v1(9,61)
~{INTERLOCK_EN}: length 146
  Top w0.254: FL1.3 v1(37.5,57.67) Q12.3 39.91,56.5 R36.1 ; 135.76,17.12 U11.1 135.64,17 v1(133.5,17) ; v1(77,16.9) 77,36.21 75.48,37.73 v1(56.68,37.73)
  Bottom w0.254: v1(56.68,37.73) 52.62,37.73 51.6,38.75 51.6,51.96 51.09,52.46 42.7,52.46 v1(37.5,57.67) ; v1(77,16.9) 133.4,16.9 v1(133.5,17)
~{INTERLOCK_SW}: length 13.7
  Top w0.254: FL10.3 33.25,63.75 33.25,56.6 Q10.1 32.05,55.4 30.81,55.4 R34.1
~{RST_LASER}: length 188.3
  Top w0.254: v1(112.5,8.5) 112.5,12.89 118.66,19.05 R4.1 119.35,20.44 U3.1 ; FL9.3 22,60 10,60 9,59 9,14.25 14.75,8.5 v1(100.75,8.5)
  Bottom w0.254: v1(100.75,8.5) v1(112.5,8.5)
~{TMP_LASER}: length 369.6
  Top w0.254: U2.6 133.27,64.25 133.38,64.36 133.38,68.12 132.5,69 ; FL3.3 23.5,59 11,59 10,58 10,15.5 15.5,10 v1(101.75,10) ; 132.5,69 v1(139.5,69) ; 132.5,69 79.75,69 79,68.25 79,64.93 79.68,64.25 U4.6 ; v1(114.5,10) 114.5,12 120.59,18.09 R2.1 120,20.34 U3.2 120,22.74 120.51,23.25 121.5,23.25 122.25,24 122.25,30 126.75,34.5 160.25,34.5 165.75,40 165.75,66.75 v1(163.5,69)
  Bottom w0.254: v1(139.5,69) v1(163.5,69) ; v1(101.75,10) v1(114.5,10)
Net-(C25-Pad1): length 1.6
  Top w0.381: R21.2 C25.1
Net-(C26-Pad1): length 1.6
  Top w0.381: R22.2 C26.1
Net-(C37-Pad1): length 2.1
  Top w0.381: R29.1 C37.1
Net-(C59-Pad1): length 13.3
  Top w0.254: 129.15,25.2 127.6,25.2 125.34,22.94 R56.2
  Top w0.381: 129.15,25.2 129.34,25.39 R54.1 129.3,27.29 C59.1
Net-(CHG1-Pin_1): length 7.1
  Top w1.524: CHG1.1 47,76 45.5,77.5 D1.2
Net-(D3-A): length 6.1
  Top w0.381: 114.54,29.5 112.75,27.71 R3.1
Net-(D6-A): length 13.9
  Top w0.254: Q1.4 130.91,55.92 v1(131,56)
  Top w0.762: v1(122.5,57.5) 121.66,57.5 R9.1 119.99,57.91 D6.2
  Bottom w0.762: v1(122.5,57.5) 124,56 v1(131,56)
Net-(D7-A): length 13.8
  Top w0.254: v1(131,51.25) 130.91,51.17 Q2.4
  Top w0.762: D7.2 119.99,52.91 R10.1 121.41,52.75 v1(122.5,52.75)
  Bottom w0.762: v1(131,51.25) 124,51.25 v1(122.5,52.75)
Net-(D8-A): length 10.6
  Top w0.254: Q3.4 89.72,55.97 v1(89.75,56)
  Top w0.762: D8.2 97.26,57.91 96.25,57.91 96.16,58 95.66,57.5 v1(94.75,57.5)
  Bottom w0.762: v1(94.75,57.5) 93.25,56 v1(89.75,56)
Net-(D9-A): length 10.4
  Top w0.254: v1(89.75,51.25) 89.72,51.22 Q4.4
  Top w0.762: D9.2 97.26,52.91 R12.1 95.59,52.5 v1(94.75,52.5)
  Bottom w0.762: v1(94.75,52.5) 93.5,51.25 v1(89.75,51.25)
Net-(D10-A): length 13.6
  Top w0.254: v1(135.25,56) 135.16,55.92 Q5.4
  Top w0.762: v1(127,57.5) 126.16,57.5 R17.1 124.49,57.91 D10.2
  Bottom w0.508: v1(135.25,56) 134.28,56.97 127.53,56.97 ; 127.5,57 v1(127,57.5)
Net-(D11-A): length 13.6
  Top w0.254: v1(135.25,51.25) 135.16,51.17 Q6.4
  Top w0.762: v1(127,52.5) 126.16,52.5 R18.1 124.49,52.91 D11.2
  Bottom w0.508: v1(127,52.5) 127.25,52.25 134.25,52.25 v1(135.25,51.25)
